# Altium PCB Zynq-Video-Board.PcbDoc (part 5 of 7) (continued)
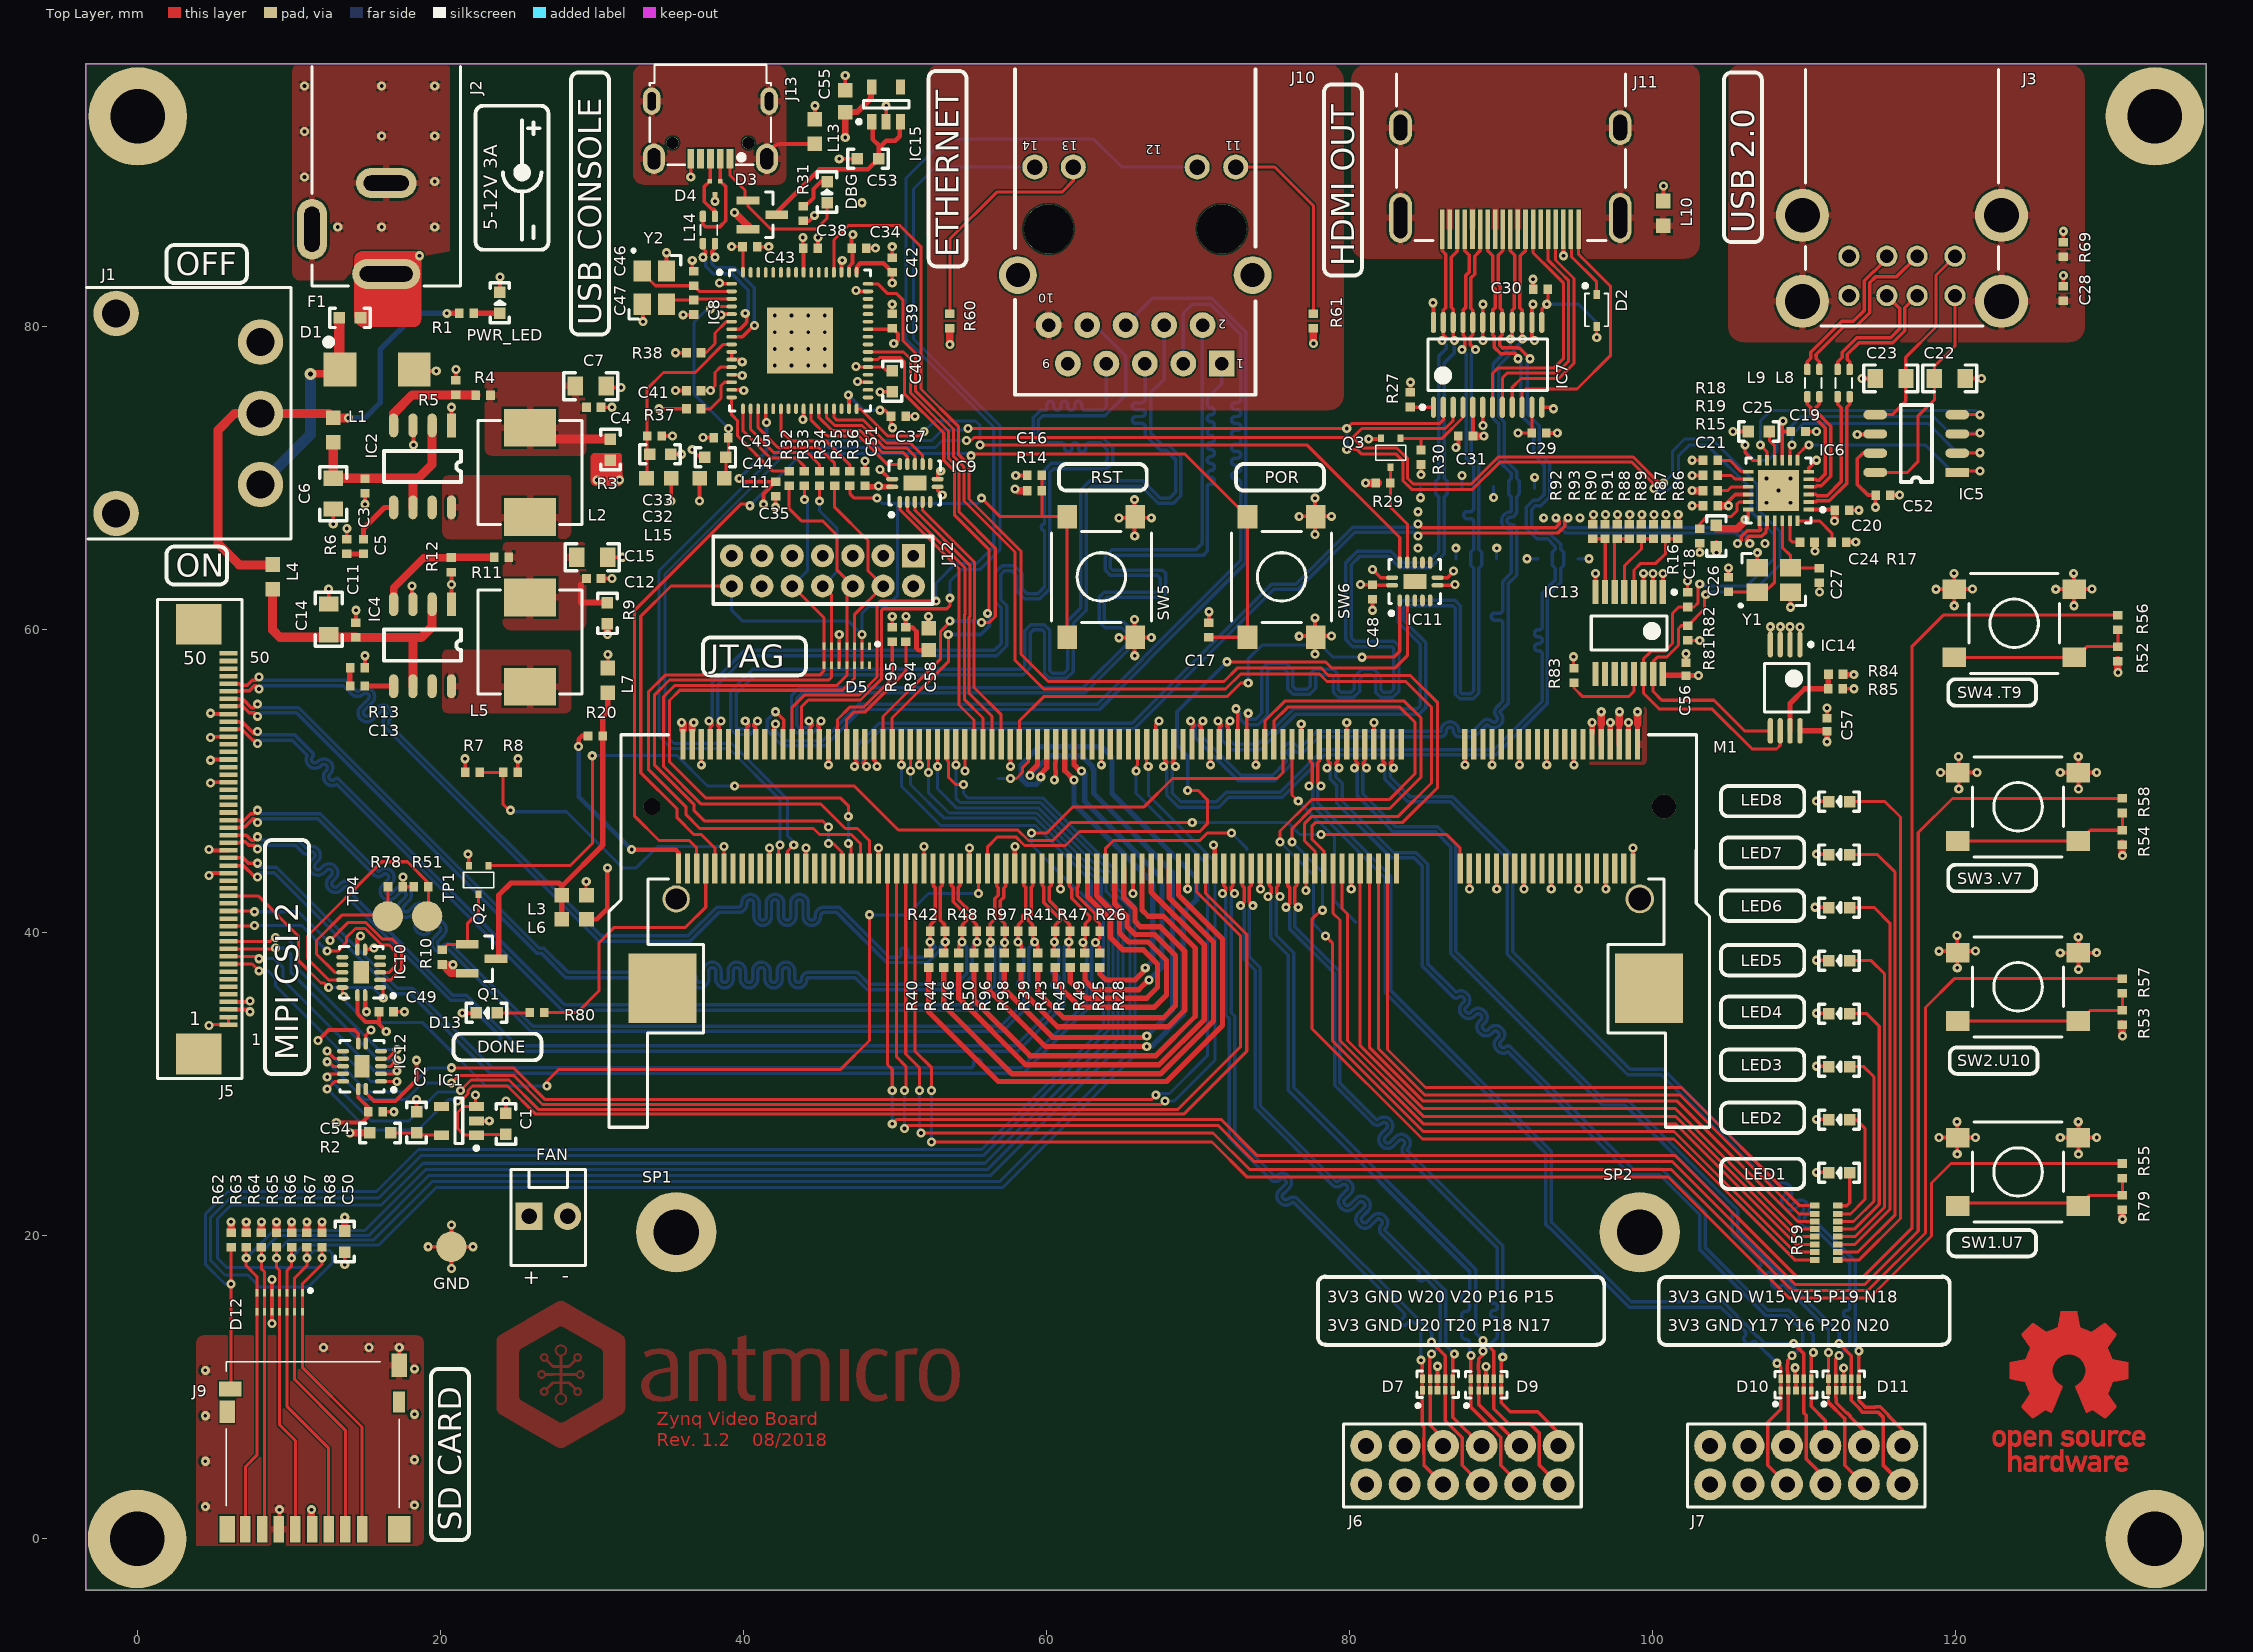
[diagram p0: Top Layer view]
## Nets (pads, with @x,y where several pads share a name; then routed paths per layer and width w, separated by ;. In a path a pad name is that pad's centre, name@x,y a point inside that pad or via, vN(x,y) a via of type N, cw(c..) or ccw(c..) an arc to the next point about the centre after c; other vN are vias at no path point) (continued)
124.721,6.778 ; 124.522,6.791 124.721,6.791 ; 124.522,8.592 126.482,8.592 ; 124.522,8.949 126.628,8.949 ; 124.522,13.306 130.521,13.306 ; 124.522,13.663 130.521,13.663 ; 124.535,4.672 124.787,4.672 ; 124.535,4.685 124.761,4.685 ; 124.535,4.699 124.747,4.699 ; 124.535,4.844 124.721,4.844 ; 124.535,4.858 124.734,4.858 ; 124.535,4.871 124.747,4.871 ; 124.535,4.884 124.761,4.884 ; 124.535,6.447 124.747,6.447 ; 124.535,6.46 124.734,6.46 ; 124.535,6.473 124.734,6.473 ; 124.535,6.486 124.734,6.486 ; 124.535,6.804 124.721,6.804 ; 124.535,6.817 124.721,6.817 ; 124.535,6.831 124.734,6.831 ; 124.535,6.844 124.734,6.844 ; 124.535,8.579 126.482,8.579 ; 124.535,8.963 126.641,8.963 ; 124.535,8.976 126.641,8.976 ; 124.535,11.836 126.681,11.836 ; 124.535,13.279 130.508,13.279 ; 124.535,13.293 130.508,13.293 ; 124.535,13.677 126.005,13.677 ; 124.549,4.646 125.356,4.646 ; 124.549,4.659 124.827,4.659 ; 124.549,4.897 124.787,4.897 ; 124.549,4.911 124.84,4.911 ; 124.549,6.407 124.761,6.407 ; 124.549,6.42 124.761,6.42 ; 124.549,6.433 124.747,6.433 ; 124.549,6.857 124.734,6.857 ; 124.549,6.87 124.747,6.87 ; 124.549,6.884 124.747,6.884 ; 124.549,6.897 124.761,6.897 ; 124.549,8.565 126.469,8.565 ; 124.549,8.989 126.641,8.989 ; 124.549,10.419 126.681,10.419 ; 124.549,13.266 130.494,13.266 ; 124.549,13.69 125.979,13.69 ; 124.562,4.619 125.356,4.619 ; 124.562,4.632 125.356,4.632 ; 124.562,4.924 125.356,4.924 ; 124.562,4.937 125.356,4.937 ; 124.562,6.367 124.8,6.367 ; 124.562,6.38 124.787,6.38 ; 124.562,6.394 124.774,6.394 ; 124.562,6.91 124.774,6.91 ; 124.562,6.923 124.774,6.923 ; 124.562,8.552 126.469,8.552 ; 124.562,9.002 126.654,9.002 ; 124.562,9.016 126.654,9.016 ; 124.562,13.253 130.481,13.253 ; 124.562,13.703 125.966,13.703 ; 124.575,4.593 125.356,4.593 ; 124.575,4.606 125.356,4.606 ; 124.575,4.95 125.356,4.95 ; 124.575,5.374 125.303,5.374 ; 124.575,6.341 124.84,6.341 ; 124.575,6.354 124.814,6.354 ; 124.575,6.937 124.787,6.937 ; 124.575,6.95 124.814,6.95 ; 124.575,8.539 125.952,8.539 ; 124.575,9.029 126.667,9.029 ; 124.575,13.226 130.468,13.226 ; 124.575,13.24 130.468,13.24 ; 124.575,13.716 125.952,13.716 ; 124.588,4.579 125.356,4.579 ; 124.588,4.963 125.356,4.963 ; 124.588,5.387 125.303,5.387 ; 124.588,6.314 124.906,6.314 ; 124.588,6.327 124.866,6.327 ; 124.588,6.963 124.827,6.963 ; 124.588,6.976 124.853,6.976 ; 124.588,8.526 125.926,8.526 ; 124.588,9.042 126.667,9.042 ; 124.588,9.055 126.681,9.055 ; 124.588,13.213 130.455,13.213 ; 124.588,13.73 125.926,13.73 ; 124.602,4.566 125.356,4.566 ; 124.602,4.977 125.356,4.977 ; 124.602,4.99 125.356,4.99 ; 124.602,5.361 125.317,5.361 ; 124.602,5.4 125.29,5.4 ; 124.602,5.414 125.277,5.414 ; 124.602,6.301 125.33,6.301 ; 124.602,6.99 124.893,6.99 ; 124.602,7.003 125.303,7.003 ; 124.602,8.512 125.899,8.512 ; 124.602,9.068 126.681,9.068 ; 124.602,10.406 126.694,10.406 ; 124.602,11.849 126.694,11.849 ; 124.602,13.187 130.441,13.187 ; 124.602,13.2 130.441,13.2 ; 124.602,13.743 125.913,13.743 ; 124.615,4.553 125.131,4.553 ; 124.615,5.348 125.33,5.348 ; 124.615,6.274 125.343,6.274 ; 124.615,6.288 125.343,6.288 ; 124.615,7.016 125.29,7.016 ; 124.615,8.499 125.886,8.499 ; 124.615,9.082 126.681,9.082 ; 124.615,9.095 126.694,9.095 ; 124.615,13.173 130.428,13.173 ; 124.615,13.756 125.886,13.756 ; 124.628,4.54 125.118,4.54 ; 124.628,5.003 125.356,5.003 ; 124.628,5.334 124.919,5.334 ; 124.628,5.427 125.264,5.427 ; 124.628,6.261 125.33,6.261 ; 124.628,7.029 125.277,7.029 ; 124.628,7.042 125.264,7.042 ; 124.628,8.486 125.86,8.486 ; 124.628,9.108 126.694,9.108 ; 124.628,10.379 126.707,10.379 ; 124.628,10.393 126.707,10.393 ; 124.628,11.863 126.707,11.863 ; 124.628,13.147 130.415,13.147 ; 124.628,13.16 130.415,13.16 ; 124.628,13.769 125.873,13.769 ; 124.641,5.016 125.356,5.016 ; 124.641,5.44 125.25,5.44 ; 124.641,6.248 125.317,6.248 ; 124.641,7.056 125.25,7.056 ; 124.641,8.473 125.846,8.473 ; 124.641,9.121 126.707,9.121 ; 124.641,10.366 126.72,10.366 ; 124.641,13.134 130.402,13.134 ; 124.641,13.783 125.846,13.783 ; 124.655,4.527 125.118,4.527 ; 124.655,5.03 125.356,5.03 ; 124.655,5.321 124.827,5.321 ; 124.655,5.453 125.237,5.453 ; 124.655,6.235 125.29,6.235 ; 124.655,7.069 125.237,7.069 ; 124.655,8.459 125.82,8.459 ; 124.655,9.135 126.707,9.135 ; 124.655,9.148 126.707,9.148 ; 124.655,10.326 126.773,10.326 ; 124.655,10.34 126.747,10.34 ; 124.655,10.353 126.734,10.353 ; 124.655,11.876 126.72,11.876 ; 124.655,13.107 130.388,13.107 ; 124.655,13.121 130.388,13.121 ; 124.655,13.796 125.833,13.796 ; 124.668,4.513 125.105,4.513 ; 124.668,5.308 124.787,5.308 ; 124.668,6.221 125.277,6.221 ; 124.668,7.082 125.224,7.082 ; 124.668,8.446 125.807,8.446 ; 124.668,9.161 126.72,9.161 ; 124.668,10.3 126.8,10.3 ; 124.668,10.313 126.787,10.313 ; 124.668,11.889 126.734,11.889 ; 124.668,11.902 126.747,11.902 ; 124.668,13.094 130.375,13.094 ; 124.668,13.809 125.807,13.809 ; 124.681,5.043 125.356,5.043 ; 124.681,5.295 124.774,5.295 ; 124.681,5.467 125.211,5.467 ; 124.681,6.208 125.264,6.208 ; 124.681,7.095 125.211,7.095 ; 124.681,8.433 125.793,8.433 ; 124.681,9.174 126.72,9.174 ; 124.681,9.188 126.734,9.188 ; 124.681,10.26 126.84,10.26 ; 124.681,10.274 126.826,10.274 ; 124.681,10.287 126.813,10.287 ; 124.681,11.916 126.76,11.916 ; 124.681,11.929 126.773,11.929 ; 124.681,13.068 130.362,13.068 ; 124.681,13.081 130.362,13.081 ; 124.681,13.822 125.793,13.822 ; 124.694,4.5 125.078,4.5 ; 124.694,5.48 125.184,5.48 ; 124.694,8.42 125.767,8.42 ; 124.694,9.201 126.734,9.201 ; 124.694,10.234 126.879,10.234 ; 124.694,10.247 126.866,10.247 ; 124.694,11.942 126.787,11.942 ; 124.694,11.955 126.8,11.955 ; 124.694,11.968 126.813,11.968 ; 124.694,13.054 130.349,13.054 ; 124.694,13.836 125.767,13.836 ; 124.708,5.056 125.356,5.056 ; 124.708,5.281 124.761,5.281 ; 124.708,6.195 125.237,6.195 ; 124.708,7.109 125.184,7.109 ; 124.708,8.406 125.754,8.406 ; 124.708,9.214 126.747,9.214 ; 124.708,9.227 126.747,9.227 ; 124.708,10.194 126.932,10.194 ; 124.708,10.207 126.919,10.207 ; 124.708,10.221 126.892,10.221 ; 124.708,11.982 126.84,11.982 ; 124.708,11.995 126.853,11.995 ; 124.708,13.028 130.335,13.028 ; 124.708,13.041 130.335,13.041 ; 124.708,13.849 125.754,13.849 ; 124.721,4.487 125.052,4.487 ; 124.721,5.268 124.747,5.268 ; 124.721,6.182 125.224,6.182 ; 124.721,7.122 125.171,7.122 ; 124.721,8.393 125.727,8.393 ; 124.721,9.241 126.747,9.241 ; 124.721,10.168 126.972,10.168 ; 124.721,10.181 126.945,10.181 ; 124.721,12.008 126.866,12.008 ; 124.721,12.021 126.892,12.021 ; 124.721,13.015 130.322,13.015 ; 124.721,13.862 125.74,13.862 ; 124.734,5.493 125.145,5.493 ; 124.734,8.38 125.714,8.38 ; 124.734,9.254 126.76,9.254 ; 124.734,9.267 126.76,9.267 ; 124.734,10.128 127.025,10.128 ; 124.734,10.141 127.012,10.141 ; 124.734,10.154 126.985,10.154 ; 124.734,12.035 126.906,12.035 ; 124.734,12.048 126.932,12.048 ; 124.734,12.061 126.945,12.061 ; 124.734,13.001 130.309,13.001 ; 124.734,13.875 125.714,13.875 ; 124.747,6.169 125.198,6.169 ; 124.747,7.135 125.145,7.135 ; 124.747,8.367 125.687,8.367 ; 124.747,9.28 126.773,9.28 ; 124.747,10.101 127.065,10.101 ; 124.747,10.115 127.051,10.115 ; 124.747,12.074 126.972,12.074 ; 124.747,12.088 126.998,12.088 ; 124.747,12.975 130.296,12.975 ; 124.747,12.988 130.296,12.988 ; 124.747,13.889 125.701,13.889 ; 124.761,5.069 125.356,5.069 ; 124.761,8.353 125.674,8.353 ; 124.761,9.294 126.773,9.294 ; 124.761,9.307 126.773,9.307 ; 124.761,10.062 127.091,10.062 ; 124.761,10.075 127.091,10.075 ; 124.761,10.088 127.078,10.088 ; 124.761,12.101 127.025,12.101 ; 124.761,12.114 127.051,12.114 ; 124.761,12.962 130.282,12.962 ; 124.761,13.902 125.674,13.902 ; 124.774,4.474 125.012,4.474 ; 124.774,5.506 125.105,5.506 ; 124.774,7.148 125.118,7.148 ; 124.774,8.34 125.648,8.34 ; 124.774,9.32 126.787,9.32 ; 124.774,10.035 127.078,10.035 ; 124.774,10.048 127.091,10.048 ; 124.774,12.127 127.078,12.127 ; 124.774,12.141 127.104,12.141 ; 124.774,12.154 127.144,12.154 ; 124.774,12.935 130.269,12.935 ; 124.774,12.948 130.269,12.948 ; 124.774,13.915 125.661,13.915 ; 124.787,6.155 125.171,6.155 ; 124.787,8.327 125.635,8.327 ; 124.787,9.333 126.787,9.333 ; 124.787,9.347 126.8,9.347 ; 124.787,9.995 127.065,9.995 ; 124.787,10.009 127.065,10.009 ; 124.787,10.022 127.078,10.022 ; 124.787,12.167 127.171,12.167 ; 124.787,12.18 127.224,12.18 ; 124.787,12.922 130.256,12.922 ; 124.787,13.928 125.635,13.928 ; 124.8,7.162 125.078,7.162 ; 124.8,8.314 125.608,8.314 ; 124.8,9.36 126.8,9.36 ; 124.8,9.969 127.051,9.969 ; 124.8,9.982 127.065,9.982 ; 124.8,12.194 127.277,12.194 ; 124.8,12.207 127.343,12.207 ; 124.8,12.22 127.449,12.22 ; 124.8,12.895 130.243,12.895 ; 124.8,12.909 130.243,12.909 ; 124.8,13.942 125.621,13.942 ; 124.814,6.142 125.131,6.142 ; 124.814,8.3 125.595,8.3 ; 124.814,9.373 126.8,9.373 ; 124.814,9.929 127.038,9.929 ; 124.814,9.942 127.038,9.942 ; 124.814,9.956 127.051,9.956 ; 124.814,12.233 130.229,12.233 ; 124.814,12.247 130.229,12.247 ; 124.814,12.882 130.229,12.882 ; 124.814,13.955 125.595,13.955 ; 124.827,8.287 125.582,8.287 ; 124.827,9.386 126.813,9.386 ; 124.827,9.4 126.813,9.4 ; 124.827,9.903 127.025,9.903 ; 124.827,9.916 127.025,9.916 ; 124.827,12.26 130.216,12.26 ; 124.827,12.273 130.216,12.273 ; 124.827,12.856 130.216,12.856 ; 124.827,12.869 130.216,12.869 ; 124.827,13.968 125.582,13.968 ; 124.84,8.274 125.555,8.274 ; 124.84,9.413 126.826,9.413 ; 124.84,9.863 127.012,9.863 ; 124.84,9.876 127.012,9.876 ; 124.84,9.889 127.025,9.889 ; 124.84,12.286 130.203,12.286 ; 124.84,12.3 130.203,12.3 ; 124.84,12.313 130.203,12.313 ; 124.84,12.842 130.203,12.842 ; 124.84,13.981 125.555,13.981 ; 124.853,5.52 125.025,5.52 ; 124.853,7.175 125.039,7.175 ; 124.853,8.261 125.542,8.261 ; 124.853,9.426 126.826,9.426 ; 124.853,9.439 126.84,9.439 ; 124.853,9.837 126.998,9.837 ; 124.853,9.85 126.998,9.85 ; 124.853,12.326 130.19,12.326 ; 124.853,12.339 130.19,12.339 ; 124.853,12.816 130.19,12.816 ; 124.853,12.829 130.19,12.829 ; 124.853,13.994 125.542,13.994 ; 124.866,4.46 124.919,4.46 ; 124.866,6.129 125.078,6.129 ; 124.866,8.247 125.515,8.247 ; 124.866,9.453 126.84,9.453 ; 124.866,9.797 126.985,9.797 ; 124.866,9.81 126.985,9.81 ; 124.866,9.823 126.998,9.823 ; 124.866,12.352 130.176,12.352 ; 124.866,12.366 130.176,12.366 ; 124.866,12.803 130.176,12.803 ; 124.866,14.008 125.515,14.008 ; 124.88,8.234 125.502,8.234 ; 124.88,9.466 126.84,9.466 ; 124.88,9.479 126.853,9.479 ; 124.88,9.77 126.972,9.77 ; 124.88,9.784 126.972,9.784 ; 124.88,12.379 130.163,12.379 ; 124.88,12.392 130.163,12.392 ; 124.88,12.405 130.163,12.405 ; 124.88,12.789 130.163,12.789 ; 124.88,14.021 125.502,14.021 ; 124.893,8.221 125.476,8.221 ; 124.893,9.492 126.853,9.492 ; 124.893,9.731 126.959,9.731 ; 124.893,9.744 126.959,9.744 ; 124.893,9.757 126.959,9.757 ; 124.893,12.419 130.15,12.419 ; 124.893,12.432 130.15,12.432 ; 124.893,12.763 130.15,12.763 ; 124.893,12.776 130.15,12.776 ; 124.893,14.034 125.489,14.034 ; 124.906,8.208 125.462,8.208 ; 124.906,9.505 126.866,9.505 ; 124.906,9.519 126.866,9.519 ; 124.906,9.704 126.945,9.704 ; 124.906,9.717 126.945,9.717 ; 124.906,12.445 130.137,12.445 ; 124.906,12.458 130.137,12.458 ; 124.906,12.75 130.137,12.75 ; 124.906,14.047 125.462,14.047 ; 124.919,8.195 125.436,8.195 ; 124.919,9.532 126.866,9.532 ; 124.919,9.664 126.932,9.664 ; 124.919,9.678 126.932,9.678 ; 124.919,9.691 126.932,9.691 ; 124.919,12.472 130.124,12.472 ; 124.919,12.485 130.124,12.485 ; 124.919,12.498 130.124,12.498 ; 124.919,12.723 130.124,12.723 ; 124.919,12.737 130.124,12.737 ; 124.919,14.061 125.449,14.061 ; 124.933,8.181 125.423,8.181 ; 124.933,9.545 126.879,9.545 ; 124.933,9.558 126.879,9.558 ; 124.933,9.638 126.919,9.638 ; 124.933,9.651 126.919,9.651 ; 124.933,12.511 130.11,12.511 ; 124.933,12.525 130.11,12.525 ; 124.933,12.71 130.11,12.71 ; 124.933,14.074 125.423,14.074 ; 124.946,5.334 125.33,5.334 ; 124.946,8.168 125.396,8.168 ; 124.946,9.572 126.892,9.572 ; 124.946,9.585 126.892,9.585 ; 124.946,9.598 126.906,9.598 ; 124.946,9.611 126.906,9.611 ; 124.946,9.625 126.906,9.625 ; 124.946,12.538 130.097,12.538 ; 124.946,12.551 130.097,12.551 ; 124.946,12.684 130.097,12.684 ; 124.946,12.697 130.097,12.697 ; 124.946,14.087 125.409,14.087 ; 124.959,8.155 125.383,8.155 ; 124.959,12.564 130.084,12.564 ; 124.959,12.578 130.084,12.578 ; 124.959,12.591 130.084,12.591 ; 124.959,12.657 130.084,12.657 ; 124.959,12.67 130.084,12.67 ; 124.959,14.1 125.383,14.1 ; 124.972,8.142 125.37,8.142 ; 124.972,12.604 130.071,12.604 ; 124.972,12.617 130.071,12.617 ; 124.972,12.631 130.071,12.631 ; 124.972,12.644 130.071,12.644 ; 124.972,14.114 125.37,14.114 ; 124.986,8.128 125.343,8.128 ; 124.986,14.127 125.343,14.127 ; 124.999,6.99 125.303,6.99 ; 124.999,8.115 125.33,8.115 ; 124.999,14.14 125.33,14.14 ; 125.012,8.102 125.303,8.102 ; 125.012,14.153 125.303,14.153 ; 125.025,6.314 125.317,6.314 ; 125.025,8.089 125.29,8.089 ; 125.025,14.167 125.29,14.167 ; 125.039,6.976 125.317,6.976 ; 125.039,8.075 125.264,8.075 ; 125.039,14.18 125.277,14.18 ; 125.052,4.659 125.356,4.659 ; 125.052,5.321 125.33,5.321 ; 125.052,8.062 125.25,8.062 ; 125.052,14.193 125.25,14.193 ; 125.065,6.963 125.317,6.963 ; 125.065,8.049 125.224,8.049 ; 125.065,14.206 125.237,14.206 ; 125.078,6.327 125.303,6.327 ; 125.078,6.95 125.33,6.95 ; 125.078,8.036 125.211,8.036 ; 125.078,14.22 125.211,14.22 ; 125.092,4.672 125.356,4.672 ; 125.092,5.308 125.343,5.308 ; 125.092,6.937 125.33,6.937 ; 125.092,8.022 125.184,8.022 ; 125.092,14.233 125.198,14.233 ; 125.105,4.685 125.356,4.685 ; 125.105,6.341 125.277,6.341 ; 125.105,6.923 125.343,6.923 ; 125.105,14.246 125.171,14.246 ; 125.118,4.699 125.356,4.699 ; 125.118,5.295 125.343,5.295 ; 125.118,6.91 125.343,6.91 ; 125.118,8.009 125.171,8.009 ; 125.131,4.712 125.356,4.712 ; 125.131,4.725 125.356,4.725 ; 125.131,5.268 125.343,5.268 ; 125.131,5.281 125.343,5.281 ; 125.131,6.354 125.264,6.354 ; 125.131,6.884 125.356,6.884 ; 125.131,6.897 125.343,6.897 ; 125.145,4.738 125.356,4.738 ; 125.145,4.752 125.356,4.752 ; 125.145,4.765 125.356,4.765 ; 125.145,5.083 125.356,5.083 ; 125.145,5.242 125.356,5.242 ; 125.145,5.255 125.356,5.255 ; 125.145,6.857 125.356,6.857 ; 125.145,6.87 125.356,6.87 ; 125.158,4.474 125.356,4.474 ; 125.158,4.487 125.356,4.487 ; 125.158,4.5 125.356,4.5 ; 125.158,4.513 125.356,4.513 ; 125.158,4.527 125.356,4.527 ; 125.158,4.54 125.356,4.54 ; 125.158,4.553 125.356,4.553 ; 125.158,4.778 125.356,4.778 ; 125.158,4.791 125.356,4.791 ; 125.158,4.805 125.356,4.805 ; 125.158,4.818 125.356,4.818 ; 125.158,4.831 125.356,4.831 ; 125.158,4.844 125.356,4.844 ; 125.158,4.858 125.356,4.858 ; 125.158,4.871 125.356,4.871 ; 125.158,4.884 125.356,4.884 ; 125.158,4.897 125.356,4.897 ; 125.158,4.911 125.356,4.911 ; 125.158,5.096 125.356,5.096 ; 125.158,5.109 125.356,5.109 ; 125.158,5.122 125.356,5.122 ; 125.158,5.136 125.356,5.136 ; 125.158,5.149 125.356,5.149 ; 125.158,5.162 125.356,5.162 ; 125.158,5.175 125.356,5.175 ; 125.158,5.189 125.356,5.189 ; 125.158,5.202 125.356,5.202 ; 125.158,5.215 125.356,5.215 ; 125.158,5.228 125.356,5.228 ; 125.158,6.367 125.25,6.367 ; 125.158,6.804 125.37,6.804 ; 125.158,6.817 125.37,6.817 ; 125.158,6.831 125.37,6.831 ; 125.158,6.844 125.356,6.844 ; 125.171,6.38 125.237,6.38 ; 125.171,6.751 125.37,6.751 ; 125.171,6.764 125.37,6.764 ; 125.171,6.778 125.37,6.778 ; 125.171,6.791 125.37,6.791 ; 125.184,6.394 125.224,6.394 ; 125.568,6.142 125.767,6.142 ; 125.568,6.155 125.767,6.155 ; 125.568,6.169 125.767,6.169 ; 125.568,6.182 125.767,6.182 ; 125.568,6.195 125.767,6.195 ; 125.568,6.208 125.767,6.208 ; 125.568,6.221 125.767,6.221 ; 125.568,6.235 125.767,6.235 ; 125.568,6.248 125.767,6.248 ; 125.568,6.261 125.767,6.261 ; 125.568,6.274 125.767,6.274 ; 125.568,6.288 125.767,6.288 ; 125.568,6.301 125.767,6.301 ; 125.568,6.314 125.767,6.314 ; 125.568,6.327 125.767,6.327 ; 125.568,6.341 125.767,6.341 ; 125.568,6.354 125.767,6.354 ; 125.568,6.367 125.767,6.367 ; 125.568,6.38 125.767,6.38 ; 125.568,6.394 125.767,6.394 ; 125.568,6.407 125.767,6.407 ; 125.568,6.42 125.767,6.42 ; 125.568,6.433 125.767,6.433 ; 125.568,6.447 125.767,6.447 ; 125.568,6.46 125.767,6.46 ; 125.568,6.473 125.767,6.473 ; 125.568,6.486 125.767,6.486 ; 125.568,6.5 125.767,6.5 ; 125.568,6.513 125.767,6.513 ; 125.568,6.526 125.767,6.526 ; 125.568,6.539 125.767,6.539 ; 125.568,6.553 125.767,6.553 ; 125.568,6.566 125.767,6.566 ; 125.568,6.579 125.767,6.579 ; 125.568,6.592 125.767,6.592 ; 125.568,6.605 125.767,6.605 ; 125.568,6.619 125.767,6.619 ; 125.568,6.632 125.767,6.632 ; 125.568,6.645 125.767,6.645 ; 125.568,6.658 125.767,6.658 ; 125.568,6.672 125.767,6.672 ; 125.568,6.685 125.767,6.685 ; 125.568,6.698 125.767,6.698 ; 125.568,6.711 125.767,6.711 ; 125.568,6.725 125.767,6.725 ; 125.568,6.738 125.767,6.738 ; 125.568,6.751 125.767,6.751 ; 125.568,6.764 125.767,6.764 ; 125.568,6.778 125.767,6.778 ; 125.568,6.791 125.767,6.791 ; 125.568,6.804 125.767,6.804 ; 125.568,6.817 125.767,6.817 ; 125.568,6.831 125.78,6.831 ; 125.568,6.844 125.78,6.844 ; 125.568,6.857 125.78,6.857 ; 125.568,6.87 125.793,6.87 ; 125.568,6.884 125.793,6.884 ; 125.568,6.897 125.807,6.897 ; 125.568,6.91 125.82,6.91 ; 125.568,6.923 125.833,6.923 ; 125.568,6.937 125.846,6.937 ; 125.568,6.95 125.86,6.95 ; 125.568,6.963 125.886,6.963 ; 125.568,6.976 125.926,6.976 ; 125.568,6.99 126.35,6.99 ; 125.568,7.003 126.35,7.003 ; 125.568,7.016 126.336,7.016 ; 125.568,7.029 126.336,7.029 ; 125.568,7.042 126.323,7.042 ; 125.568,7.056 126.31,7.056 ; 125.568,7.069 125.767,7.069 ; 125.568,7.082 125.767,7.082 ; 125.568,7.095 125.767,7.095 ; 125.568,7.109 125.767,7.109 ; 125.568,7.122 125.767,7.122 ; 125.568,7.135 125.767,7.135 ; 125.568,7.148 125.767,7.148 ; 125.568,7.162 125.767,7.162 ; 125.595,4.474 125.807,4.474 ; 125.595,4.487 125.807,4.487 ; 125.595,4.5 125.807,4.5 ; 125.595,4.513 125.807,4.513 ; 125.595,4.527 125.807,4.527 ; 125.595,4.54 125.807,4.54 ; 125.595,4.553 125.807,4.553 ; 125.595,4.566 125.807,4.566 ; 125.595,4.579 125.807,4.579 ; 125.595,4.593 125.807,4.593 ; 125.595,4.606 125.807,4.606 ; 125.595,4.619 125.807,4.619 ; 125.595,4.632 125.807,4.632 ; 125.595,4.646 125.807,4.646 ; 125.595,4.659 125.807,4.659 ; 125.595,4.672 125.807,4.672 ; 125.595,4.685 125.807,4.685 ; 125.595,4.699 125.807,4.699 ; 125.595,4.712 125.807,4.712 ; 125.595,4.725 125.807,4.725 ; 125.595,4.738 125.807,4.738 ; 125.595,4.752 125.807,4.752 ; 125.595,4.765 125.807,4.765 ; 125.595,4.778 125.807,4.778 ; 125.595,4.791 125.807,4.791 ; 125.595,4.805 125.807,4.805 ; 125.595,4.818 125.807,4.818 ; 125.595,4.831 125.807,4.831 ; 125.595,4.844 125.807,4.844 ; 125.595,4.858 125.807,4.858 ; 125.595,4.871 125.807,4.871 ; 125.595,4.884 125.807,4.884 ; 125.595,4.897 125.807,4.897 ; 125.595,4.911 125.807,4.911 ; 125.595,4.924 125.807,4.924 ; 125.595,4.937 125.807,4.937 ; 125.595,4.95 125.807,4.95 ; 125.595,4.963 125.807,4.963 ; 125.595,4.977 125.807,4.977 ; 125.595,4.99 125.807,4.99 ; 125.595,5.003 125.807,5.003 ; 125.595,5.016 125.807,5.016 ; 125.595,5.03 125.807,5.03 ; 125.595,5.043 125.807,5.043 ; 125.595,5.056 125.807,5.056 ; 125.595,5.069 125.807,5.069 ; 125.595,5.083 125.807,5.083 ; 125.595,5.096 125.807,5.096 ; 125.595,5.109 125.807,5.109 ; 125.595,5.122 125.807,5.122 ; 125.595,5.136 125.807,5.136 ; 125.595,5.149 125.807,5.149 ; 125.595,5.162 125.807,5.162 ; 125.595,5.175 125.807,5.175 ; 125.595,5.189 125.82,5.189 ; 125.595,5.202 125.82,5.202 ; 125.595,5.215 125.833,5.215 ; 125.595,5.228 125.833,5.228 ; 125.595,5.242 125.846,5.242 ; 125.595,5.255 125.86,5.255 ; 125.595,5.268 125.86,5.268 ; 125.595,5.281 125.886,5.281 ; 125.595,5.295 125.899,5.295 ; 125.595,5.308 125.926,5.308 ; 125.595,5.321 125.992,5.321 ; 125.595,5.334 126.204,5.334 ; 125.595,5.348 126.217,5.348 ; 125.595,5.361 126.217,5.361 ; 125.595,5.374 126.23,5.374 ; 125.595,5.387 126.244,5.387 ; 125.595,5.4 126.257,5.4 ; 125.595,5.414 125.807,5.414 ; 125.595,5.427 125.807,5.427 ; 125.595,5.44 125.807,5.44 ; 125.595,5.453 125.807,5.453 ; 125.595,5.467 125.807,5.467 ; 125.595,5.48 125.807,5.48 ; 125.595,5.493 125.807,5.493 ; 125.595,5.506 125.807,5.506 ; 125.78,7.069 126.297,7.069 ; 125.793,7.082 126.283,7.082 ; 125.807,7.095 126.283,7.095 ; 125.82,5.414 126.27,5.414 ; 125.82,7.109 126.257,7.109 ; 125.833,5.427 126.283,5.427 ; 125.846,5.44 126.283,5.44 ; 125.846,7.122 126.244,7.122 ; 125.86,5.453 126.283,5.453 ; 125.86,7.135 126.217,7.135 ; 125.886,5.467 126.27,5.467 ; 125.886,7.148 126.191,7.148 ; 125.913,5.48 126.244,5.48 ; 125.913,7.162 126.164,7.162 ; 125.926,5.493 126.217,5.493 ; 125.966,5.506 126.191,5.506 ; 125.966,7.175 126.124,7.175 ; 125.979,8.539 126.456,8.539 ; 126.019,8.526 126.456,8.526 ; 126.032,5.321 126.191,5.321 ; 126.032,5.52 126.138,5.52 ; 126.032,6.976 126.363,6.976 ; 126.045,8.512 126.456,8.512 ; 126.071,6.963 126.363,6.963 ; 126.071,8.499 126.442,8.499 ; 126.085,5.308 126.177,5.308 ; 126.085,13.677 128.958,13.677 ; 126.098,6.95 126.376,6.95 ; 126.098,8.486 126.442,8.486 ; 126.111,5.295 126.164,5.295 ; 126.111,6.937 126.376,6.937 ; 126.111,13.69 128.932,13.69 ; 126.124,6.923 126.376,6.923 ; 126.124,8.473 126.429,8.473 ; 126.138,5.281 126.151,5.281 ; 126.138,6.91 126.389,6.91 ; 126.138,8.459 126.429,8.459 ; 126.138,13.703 128.905,13.703 ; 126.151,6.884 126.389,6.884 ; 126.151,6.897 126.389,6.897 ; 126.164,6.857 126.389,6.857 ; 126.164,6.87 126.389,6.87 ; 126.164,8.446 126.429,8.446 ; 126.177,6.817 126.389,6.817 ; 126.177,6.831 126.389,6.831 ; 126.177,6.844 126.389,6.844 ; 126.177,13.716 128.866,13.716 ; 126.191,6.142 126.389,6.142 ; 126.191,6.155 126.389,6.155 ; 126.191,6.169 126.389,6.169 ; 126.191,6.182 126.389,6.182 ; 126.191,6.195 126.389,6.195 ; 126.191,6.208 126.389,6.208 ; 126.191,6.221 126.389,6.221 ; 126.191,6.235 126.389,6.235 ; 126.191,6.248 126.389,6.248 ; 126.191,6.261 126.389,6.261 ; 126.191,6.274 126.389,6.274 ; 126.191,6.288 126.389,6.288 ; 126.191,6.301 126.389,6.301 ; 126.191,6.314 126.389,6.314 ; 126.191,6.327 126.389,6.327 ; 126.191,6.341 126.389,6.341 ; 126.191,6.354 126.389,6.354 ; 126.191,6.367 126.389,6.367 ; 126.191,6.38 126.389,6.38 ; 126.191,6.394 126.389,6.394 ; 126.191,6.407 126.389,6.407 ; 126.191,6.42 126.389,6.42 ; 126.191,6.433 126.389,6.433 ; 126.191,6.447 126.389,6.447 ; 126.191,6.46 126.389,6.46 ; 126.191,6.473 126.389,6.473 ; 126.191,6.486 126.389,6.486 ; 126.191,6.5 126.389,6.5 ; 126.191,6.513 126.389,6.513 ; 126.191,6.526 126.389,6.526 ; 126.191,6.539 126.389,6.539 ; 126.191,6.553 126.389,6.553 ; 126.191,6.566 126.389,6.566 ; 126.191,6.579 126.389,6.579 ; 126.191,6.592 126.389,6.592 ; 126.191,6.605 126.389,6.605 ; 126.191,6.619 126.389,6.619 ; 126.191,6.632 126.389,6.632 ; 126.191,6.645 126.389,6.645 ; 126.191,6.658 126.389,6.658 ; 126.191,6.672 126.389,6.672 ; 126.191,6.685 126.389,6.685 ; 126.191,6.698 126.389,6.698 ; 126.191,6.711 126.389,6.711 ; 126.191,6.725 126.389,6.725 ; 126.191,6.738 126.389,6.738 ; 126.191,6.751 126.389,6.751 ; 126.191,6.764 126.389,6.764 ; 126.191,6.778 126.389,6.778 ; 126.191,6.791 126.389,6.791 ; 126.191,6.804 126.389,6.804 ; 126.191,8.433 126.416,8.433 ; 126.204,13.73 128.839,13.73 ; 126.217,8.42 126.416,8.42 ; 126.244,8.406 126.403,8.406 ; 126.244,13.743 128.799,13.743 ; 126.27,8.393 126.403,8.393 ; 126.27,13.756 128.773,13.756 ; 126.297,8.38 126.389,8.38 ; 126.31,4.831 126.522,4.831 ; 126.31,4.844 126.522,4.844 ; 126.31,4.858 126.522,4.858 ; 126.31,4.871 126.522,4.871 ; 126.31,4.884 126.522,4.884 ; 126.31,4.897 126.522,4.897 ; 126.31,4.911 126.522,4.911 ; 126.31,4.924 126.522,4.924 ; 126.31,4.937 126.522,4.937 ; 126.31,4.95 126.522,4.95 ; 126.31,4.963 126.508,4.963 ; 126.31,4.977 126.508,4.977 ; 126.31,4.99 126.508,4.99 ; 126.31,5.003 126.508,5.003 ; 126.31,5.016 126.508,5.016 ; 126.31,5.03 126.508,5.03 ; 126.31,5.043 126.522,5.043 ; 126.31,5.056 126.522,5.056 ; 126.31,5.069 126.522,5.069 ; 126.31,5.083 126.522,5.083 ; 126.31,5.096 126.522,5.096 ; 126.31,5.109 126.522,5.109 ; 126.31,5.122 126.522,5.122 ; 126.31,5.136 126.522,5.136 ; 126.31,5.149 126.522,5.149 ; 126.31,13.769 128.733,13.769 ; 126.323,4.725 126.575,4.725 ; 126.323,4.738 126.561,4.738 ; 126.323,4.752 126.548,4.752 ; 126.323,4.765 126.548,4.765 ; 126.323,4.778 126.535,4.778 ; 126.323,4.791 126.535,4.791 ; 126.323,4.805 126.535,4.805 ; 126.323,4.818 126.522,4.818 ; 126.323,5.162 126.522,5.162 ; 126.323,5.175 126.535,5.175 ; 126.323,5.189 126.535,5.189 ; 126.323,5.202 126.535,5.202 ; 126.323,5.215 126.548,5.215 ; 126.323,5.228 126.548,5.228 ; 126.323,5.242 126.561,5.242 ; 126.323,5.255 126.561,5.255 ; 126.323,8.367 126.389,8.367 ; 126.336,4.685 126.614,4.685 ; 126.336,4.699 126.601,4.699 ; 126.336,4.712 126.588,4.712 ; 126.336,5.268 126.575,5.268 ; 126.336,5.281 126.588,5.281 ; 126.336,5.295 126.614,5.295 ; 126.336,5.308 126.641,5.308 ; 126.336,13.783 128.707,13.783 ; 126.35,4.646 127.144,4.646 ; 126.35,4.659 127.144,4.659 ; 126.35,4.672 126.654,4.672 ; 126.35,5.321 126.707,5.321 ; 126.35,5.334 127.144,5.334 ; 126.35,8.353 126.376,8.353 ; 126.363,4.632 127.144,4.632 ; 126.363,5.348 127.144,5.348 ; 126.363,5.361 127.144,5.361 ; 126.376,4.606 127.144,4.606 ; 126.376,4.619 127.144,4.619 ; 126.376,5.374 127.144,5.374 ; 126.376,13.796 128.68,13.796 ; 126.389,4.593 127.144,4.593 ; 126.389,5.387 127.144,5.387 ; 126.389,5.4 127.144,5.4 ; 126.403,4.579 127.144,4.579 ; 126.403,5.414 126.919,5.414 ; 126.403,13.809 128.64,13.809 ; 126.416,4.566 126.919,4.566 ; 126.416,5.427 126.906,5.427 ; 126.429,4.553 126.906,4.553 ; 126.429,5.44 126.892,5.44 ; 126.429,13.822 128.614,13.822 ; 126.442,4.54 126.892,4.54 ; 126.456,4.527 126.866,4.527 ; 126.456,5.453 126.866,5.453 ; 126.469,4.513 126.853,4.513 ; 126.469,5.467 126.853,5.467 ; 126.469,13.836 128.574,13.836 ; 126.495,4.5 126.826,4.5 ; 126.495,5.48 126.826,5.48 ; 126.495,13.849 128.548,13.849 ; 126.522,4.487 126.8,4.487 ; 126.522,5.493 126.8,5.493 ; 126.535,13.862 128.508,13.862 ; 126.548,5.506 126.76,5.506 ; 126.561,4.474 126.76,4.474 ; 126.561,13.875 128.482,13.875 ; 126.601,13.889 128.442,13.889 ; 126.614,5.52 126.707,5.52 ; 126.628,13.902 128.415,13.902 ; 126.654,4.46 126.681,4.46 ; 126.654,13.915 128.389,13.915 ; 126.694,13.928 128.349,13.928 ; 126.72,13.942 128.323,13.942 ; 126.747,5.321 127.144,5.321 ; 126.747,13.955 128.296,13.955 ; 126.773,13.968 128.27,13.968 ; 126.787,13.981 128.256,13.981 ; 126.787,13.994 128.256,13.994 ; 126.8,4.672 127.144,4.672 ; 126.8,14.008 128.243,14.008 ; 126.8,14.021 128.243,14.021 ; 126.8,14.034 128.243,14.034 ; 126.8,14.047 128.243,14.047 ; 126.8,14.061 128.243,14.061 ; 126.813,5.308 127.144,5.308 ; 126.813,14.074 128.23,14.074 ; 126.813,14.087 128.23,14.087 ; 126.813,14.1 128.23,14.1 ; 126.813,14.114 128.23,14.114 ; 126.813,14.127 128.23,14.127 ; 126.813,14.14 128.23,14.14 ; 126.826,14.153 128.217,14.153 ; 126.826,14.167 128.217,14.167 ; 126.826,14.18 128.217,14.18 ; 126.826,14.193 128.217,14.193 ; 126.826,14.206 128.217,14.206 ; 126.84,4.685 127.144,4.685 ; 126.84,5.295 127.144,5.295 ; 126.84,14.22 128.203,14.22 ; 126.84,14.233 128.203,14.233 ; 126.84,14.246 128.203,14.246 ; 126.84,14.259 128.203,14.259 ; 126.84,14.273 128.203,14.273 ; 126.853,4.699 127.144,4.699 ; 126.853,5.281 127.144,5.281 ; 126.853,14.286 128.19,14.286 ; 126.853,14.299 128.19,14.299 ; 126.853,14.312 128.19,14.312 ; 126.853,14.326 128.19,14.326 ; 126.853,14.339 128.19,14.339 ; 126.853,14.352 128.19,14.352 ; 126.866,4.712 127.144,4.712 ; 126.866,14.365 128.177,14.365 ; 126.866,14.379 128.177,14.379 ; 126.866,14.392 128.177,14.392 ; 126.866,14.405 128.177,14.405 ; 126.866,14.418 128.177,14.418 ; 126.879,4.725 127.144,4.725 ; 126.879,5.255 127.144,5.255 ; 126.879,5.268 127.144,5.268 ; 126.879,14.431 128.164,14.431 ; 126.879,14.445 128.164,14.445 ; 126.879,14.458 128.164,14.458 ; 126.879,14.471 128.164,14.471 ; 126.879,14.484 128.164,14.484 ; 126.892,4.738 127.144,4.738 ; 126.892,4.752 127.144,4.752 ; 126.892,5.242 127.144,5.242 ; 126.892,14.498 128.164,14.498 ; 126.892,14.511 128.15,14.511 ; 126.892,14.524 128.15,14.524 ; 126.892,14.537 128.15,14.537 ; 126.892,14.551 128.15,14.551 ; 126.892,14.564 128.15,14.564 ; 126.906,4.765 127.144,4.765 ; 126.906,5.215 127.144,5.215 ; 126.906,5.228 127.144,5.228 ; 126.906,14.577 128.137,14.577 ; 126.906,14.59 128.137,14.59 ; 126.906,14.604 128.137,14.604